# Altium PCB PCB - v4.PcbDoc (part 1 of 2) (continued)
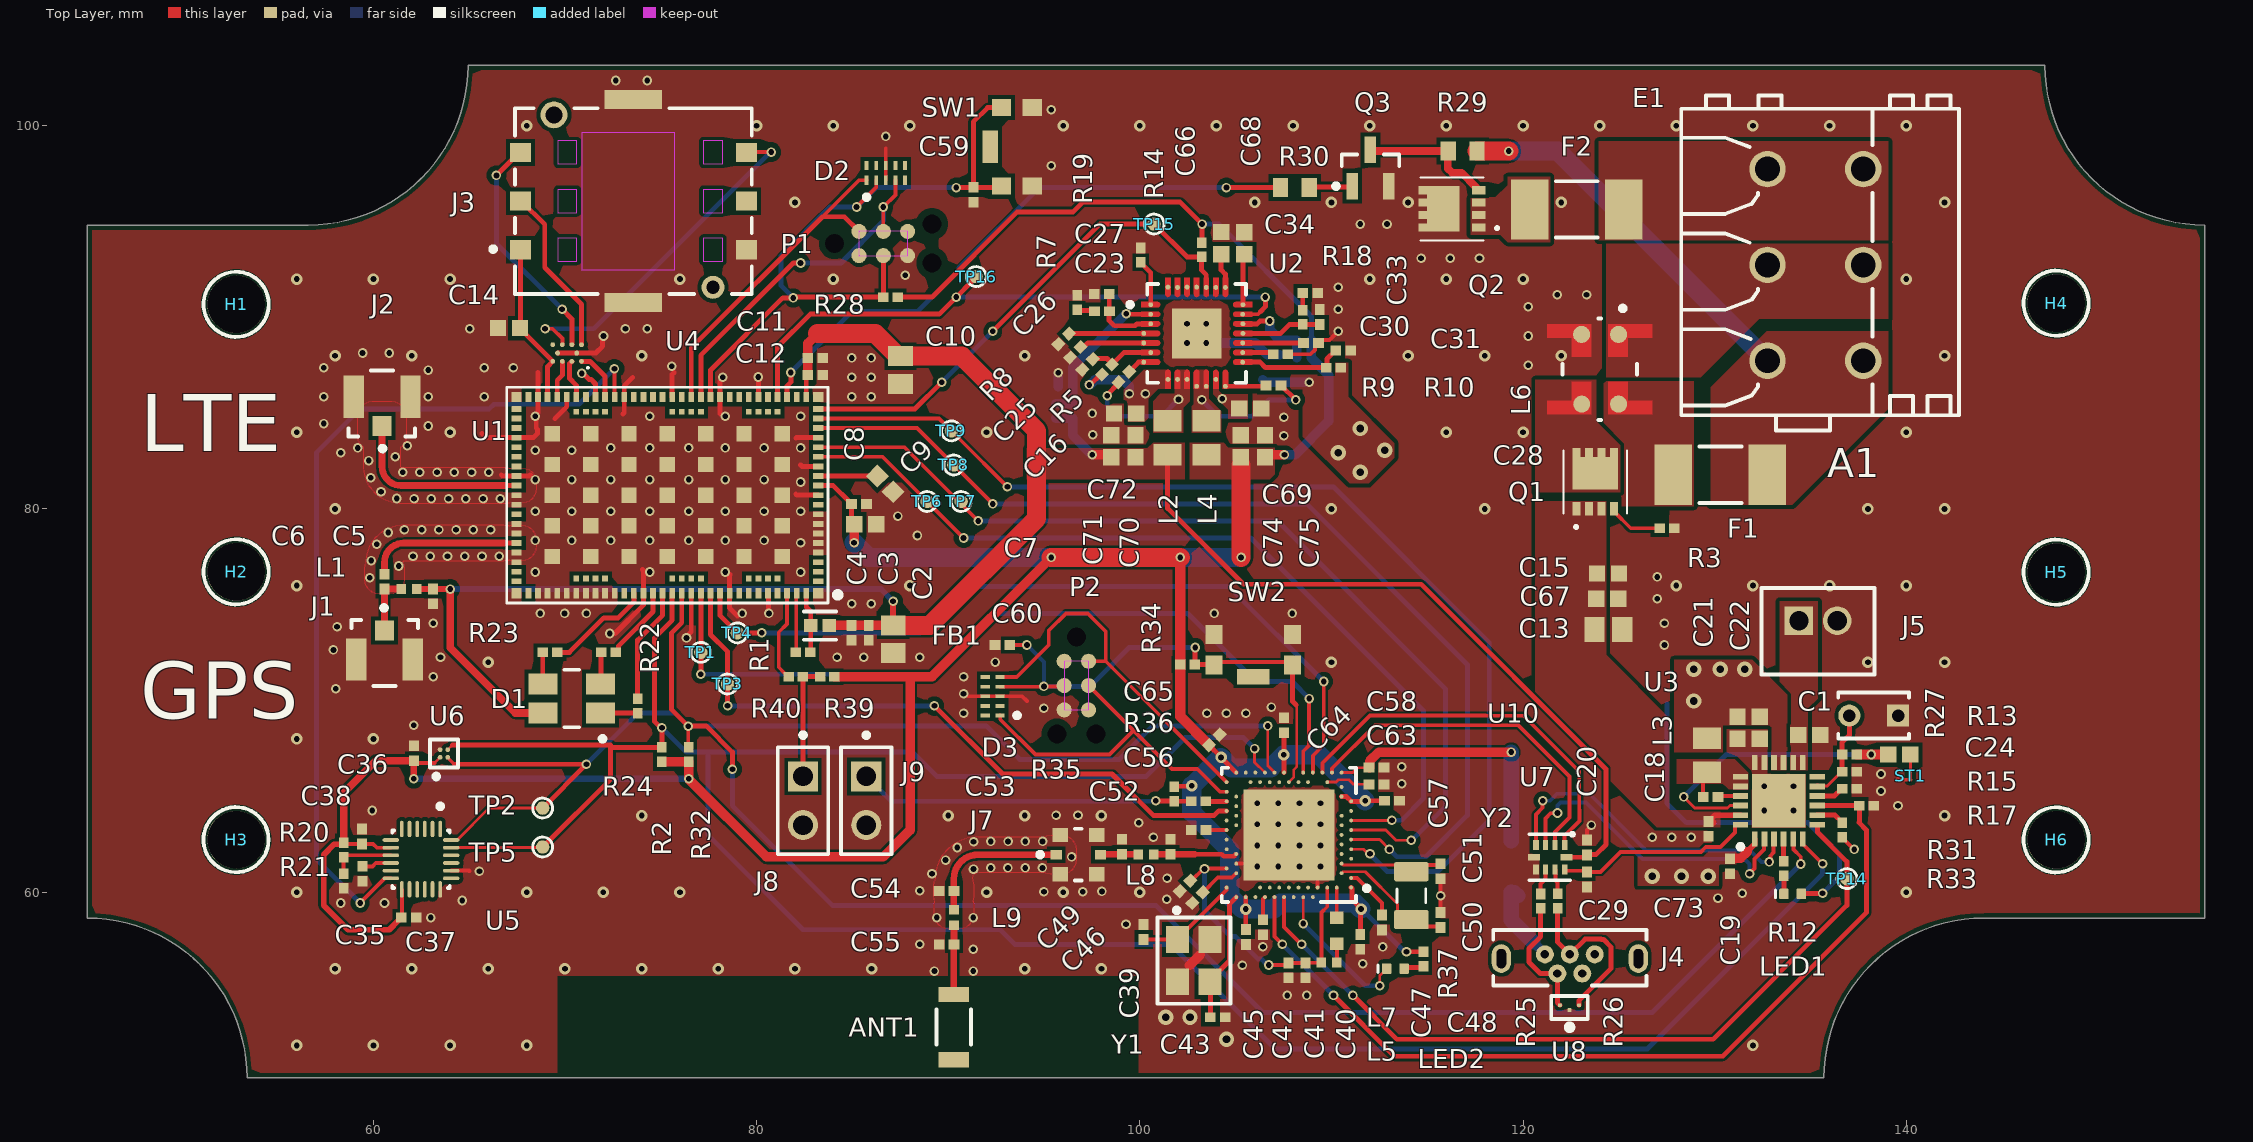
[diagram p0: Top Layer view]
## Components (designator, comment, footprint, x,y, rotation, side; value= is the part's Value field where it differs from the comment) (continued)
H6 "Hole_3MM_NP" Hole_3MM_NP-Footprint-1 147.819,62.727 r0 top value=3mm,N.P
J1 "U.FL-R-SMT-1(80)" FP-U_FL-R-SMT-1_80-MFG 60.579,72.136 r180 top
J2 "U.FL-R-SMT-1(80)" FP-U_FL-R-SMT-1_80-MFG 60.452,85.853 r0 top
J3 "SIM8051-6-0-14-01-A" FP-SIM8051-6-0-14-01-A-MFG 73.574,96.067 r270 top
J4 "614105150721" 614105150721 122.443,56.533 r0 top
J5 "B2B-PH-K-S(LF)(SN)" JST-B2B-PH-K-S_V 135.398,73.618 r0 top
J7 "MM8130-2600RA2" FP-MM8130-2600RA2-MFG 96.798,61.956 r90 top
J8 "M20-9990246" FP-M20-9990246-MFG 82.423,64.77 r270 top
J9 "M20-9990246" FP-M20-9990246-MFG 85.725,64.77 r270 top
L1 "Inductor 0402" INDC1005X55X25LL05T10_A 61.849,75.819 r0 top value=?H
L2 "Inductor 0805" INDC2013X105X50NL20T20 101.452,83.714 r270 top value=?H
L3 "Inductor 0805" INDC2013X105X50NL20T20 129.598,67.146 r90 top value=?H
L4 "Inductor 0805" INDC2013X105X50NL20T20 103.484,83.718 r270 top value=?H
L5 "Inductor 0402" INDC1005X55X25LL05T10_A 109.881,56.318 r180 top value=?H
L6 "DLW5ATN231TQ2L" FP-DLW5A-MFG 124.007,87.29 r0 top
L7 "Inductor 0603" FP-LQM18DN_70-MFG 110.276,57.979 r270 top value=?H
L8 "Inductor 0402" INDC1005X55X25LL05T10_A 100.33,61.976 r180 top value=?H
L9 "Inductor 0402" INDC1005X55X25LL05T10_A 90.297,58.674 r270 top value=?H
LED1 "QBLP595-R" QTB-QBLP595_V 134.071,59.909 r0 top
LED2 "QBLP595-R" QTB-QBLP595_V 113.337,56.007 r0 top
P1 "TC2030-IDC-NL" "New footprint 1" 85.344,93.218 r0 top
P2 "TC2030-IDC-NL" "New footprint 1" 96.055,72.052 r270 top
Q1 "DMP3007SCG-13" DMP3007SCG13 123.769,80.01 r0 top
Q2 "DMP3007SCG-13" DMP3007SCG13 117.695,95.658 r90 top
Q3 "2N7002CK,215" NXP-SOT23_N 112.038,97.795 r90 top
R1 "Resistor 0403" "RESC1005X40X25LL10T10 HD" 82.423,72.517 r0 top value=10K
R2 "Resistor 0403" "RESC1005X40X25LL10T10 HD" 75.057,67.183 r270 top value=?R
R3 "Resistor 0403" "RESC1005X40X25LL10T10 HD" 127.514,78.994 r180 top value=?R
R4 "Resistor 0403" "RESC1005X40X25LL10T10 HD" 95.603,85.118 r270 bottom value=?R
R5 "Resistor 0403" "RESC1005X40X25LL10T10 HD" 98.288,87.281 r225 top value=?R
R6 "Resistor 0403" "RESC1005X40X25LL10T10 HD" 96.124,86.381 r0 bottom value=?R
R7 "Resistor 0403" "RESC1005X40X25LL10T10 HD" 96.732,90.769 r90 top value=?R
R8 "Resistor 0403" "RESC1005X40X25LL10T10 HD" 96.632,88.181 r45 top value=?R
R9 "Resistor 0403" "RESC1005X40X25LL10T10 HD" 110.109,87.376 r0 top value=?R
R10 "Resistor 0403" "RESC1005X40X25LL10T10 HD" 107.344,88.071 r180 top value=?R
R11 "Resistor 0403" "RESC1005X40X25LL10T10 HD" 108.564,87.905 r0 bottom value=?R
R12 "Resistor 0403" "RESC1005X40X25LL10T10 HD" 133.608,61.232 r270 top value=?R
R13 "Resistor 0403" "RESC1005X40X25LL10T10 HD" 137.033,67.183 r0 top value=?R
R14 "Resistor 0403" "RESC1005X40X25LL10T10 HD" 103.224,93.528 r90 top value=?R
R15 "Resistor 0403" "RESC1005X40X25LL10T10 HD" 137.033,66.294 r180 top value=?R
R16 "Resistor 0403" "RESC1005X40X25LL10T10 HD" 107.295,88.423 r90 bottom value=?R
R17 "Resistor 0403" "RESC1005X40X25LL10T10 HD" 137.033,65.405 r180 top value=?R
R18 "Resistor 0403" "RESC1005X40X25LL10T10 HD" 108.502,90.005 r270 top value=?R
R19 "Resistor 0403" "RESC1005X40X25LL10T10 HD" 100.055,93.245 r270 top value=?R
R20 "Resistor 0403" "RESC1005X40X25LL10T10 HD" 58.447,62.207 r90 top value=10K
R21 "Resistor 0403" "RESC1005X40X25LL10T10 HD" 58.443,60.579 r90 top value=10K
R22 "Resistor 0403" "RESC1005X40X25LL10T10 HD" 72.263,72.517 r180 top value=?R
R23 "Resistor 0403" "RESC1005X40X25LL10T10 HD" 69.215,72.517 r180 top value=?R
R24 "Resistor 0403" "RESC1005X40X25LL10T10 HD" 73.787,69.723 r270 top value=?R
R25 "Resistor 0403" "RESC1005X40X25LL10T10 HD" 120.918,59.53 r90 top value=22
R26 "Resistor 0403" "RESC1005X40X25LL10T10 HD" 121.807,59.536 r90 top value=22
R27 "103AT-2" FP-103AT-2-MFG 138.303,69.215 r180 top
R28 "Resistor 0403" "RESC1005X40X25LL10T10 HD" 86.995,91.059 r0 top value=10K
R29 "Resistor 0603" RESC1608X55X25ML10T15 116.852,98.679 r0 top value=300
R30 "Resistor 0603" RESC1608X55X25ML10T15 108.089,96.774 r0 top value=300
R31 "Resistor 0403" "RESC1005X40X25LL10T10 HD" 137.928,64.516 r180 top value=?R
R32 "Resistor 0403" "RESC1005X40X25LL10T10 HD" 76.454,67.177 r270 top value=?R
R33 "Resistor 0403" "RESC1005X40X25LL10T10 HD" 136.652,63.252 r90 top value=?R
R34 "Resistor 0403" "RESC1005X40X25LL10T10 HD" 102.489,71.882 r180 top value=10K
R35 "Resistor 0403" "RESC1005X40X25LL10T10 HD" 101.795,65.125 r270 top value=?R
R36 "Resistor 0403" "RESC1005X40X25LL10T10 HD" 103.07,64.737 r0 top value=?R
R37 "Resistor 0403" "RESC1005X40X25LL10T10 HD" 114.808,56.515 r270 top value=?R
R39 "Resistor 0403" "RESC1005X40X25LL10T10 HD" 83.687,71.247 r180 top value=10K
R40 "Resistor 0403" "RESC1005X40X25LL10T10 HD" 82.042,71.247 r0 top value=10K
ST1 "2 pin starpoint" "2 PIN STARPOINT" 140.216,66.069 r90 top net-tie value=N.A.
SW1 "MCIPTG33K-V" MCIPTG33K-V-Footprint-1 92.186,98.902 r90 top
SW2 "MCIPTG33K-V" MCIPTG33K-V-Footprint-1 105.918,71.247 r180 top
TP1 "TP_SMD_Ø0.7MM" TP_SMD_Ø0.7mm 77.089,72.517 r90 top value=Ø0.7mm,SMD
TP2 "TP_SMD_Ø0.7MM" TP_SMD_Ø0.7mm 68.834,64.389 r90 top value=Ø0.7mm,SMD
TP3 "TP_SMD_Ø0.7MM" TP_SMD_Ø0.7mm 78.486,70.866 r90 top value=Ø0.7mm,SMD
TP4 "TP_SMD_Ø0.7MM" TP_SMD_Ø0.7mm 78.994,73.533 r90 top value=Ø0.7mm,SMD
TP5 "TP_SMD_Ø0.7MM" TP_SMD_Ø0.7mm 68.834,62.357 r90 top value=Ø0.7mm,SMD
TP6 "TP_SMD_Ø0.7MM" TP_SMD_Ø0.7mm 88.9,80.391 r90 top value=Ø0.7mm,SMD
TP7 "TP_SMD_Ø0.7MM" TP_SMD_Ø0.7mm 90.678,80.391 r90 top value=Ø0.7mm,SMD
TP8 "TP_SMD_Ø0.7MM" TP_SMD_Ø0.7mm 90.297,82.296 r90 top value=Ø0.7mm,SMD
TP9 "TP_SMD_Ø0.7MM" TP_SMD_Ø0.7mm 90.17,84.074 r90 top value=Ø0.7mm,SMD
TP14 "TP_SMD_Ø0.7MM" TP_SMD_Ø0.7mm 136.906,60.706 r90 top value=Ø0.7mm,SMD
TP15 "TP_SMD_Ø0.7MM" TP_SMD_Ø0.7mm 100.749,94.869 r0 top value=Ø0.7mm,SMD
TP16 "TP_SMD_Ø0.7MM" TP_SMD_Ø0.7mm 91.463,92.128 r0 top value=Ø0.7mm,SMD
U1 "nRF9160-SICAB1A" LGA50P1600X1050X104-161N 75.343,80.721 r180 top locked
U2 "TPS65252RHDR" FP-RHD0028A-MFG 102.968,89.162 r0 top
U3 "BQ25890H" QFN50P400X400X80-25N-D 133.35,64.77 r90 top
U4 "CM1402-03CP" ONSC-WLCSP-10-567BL-01 70.112,88.138 r180 top
U5 "ICM-20948" FP-ICM-20948-IPC_A 62.485,61.722 r270 top
U6 "MAX31875R0TZS+T" FP-Z40C0-1-MFG 63.681,67.237 r90 top
U7 "PI3USB221EQ1ZUAEX" PI3USB221EQ1ZUAEX-Footprint-1 121.422,61.821 r270 top
U8 "ESD122DMYR" FP-DMY0003A-MFG 122.428,53.975 r90 top
U10 "NRF52840-QIAA-R7" NRSC-AQFN-73 107.781,62.991 r180 top
Y1 "7M-32.000MEEQ-T" FP-7M-MFG 102.825,56.425 r270 top
Y2 "ABS07-166-32.768KHZ-T" EPSON-FC-135_V 114.173,59.817 r90 top

## Footprints (in the part's own frame and the unit in brackets; to place one, negate y for a bottom-side part, rotate by r counter-clockwise, add the part's x,y. Pads: shape width x height; smd on the part's side, far side on the other; paste and mask are expansions set on the pad)
"2 PIN STARPOINT" [mil]
  round 5 smd paste-3 mask-3: 1(-8,0) 2(8,0)
  Top Layer region: -11.09,-2.99 10.91,-2.99 10.91,3.01 -11.09,3.01
614105150721 [mm] "Micro USB 2.0 Type B Vertical 5 Contacts"
  round 0.94 hole 0.44: 1(-1.3,0.22) 2(-0.65,-0.78) 3(0,0.22) 4(0.65,-0.78) 5(1.3,0.22)
  oval 1x1.5 hole 0.5 slot 1 at 90 deg: Shell(-3.575,0) Shell(3.575,0)
  silkscreen extent -4,-1.4 4,1.5, body extent -4,-1.4 4,1.5, height 5.64
"CAPC1005X55X25LL05T10 HD" [mm] "Chip Capacitor, 2-Leads, Body 1.05x0.55mm, IPC High Density"
  rect 0.56x0.52 smd: 1(-0.39,0) 2(0.39,0)
  body extent -0.53,-0.28 0.53,0.28, height 0.55
"CAPC1608X90X40LL10T20 HD" [mm] "Chip Capacitor, 2-Leads, Body 1.70x0.90mm, IPC High Density"
  rect 0.85x0.85 smd: 1(-0.575,0) 2(0.575,0)
  body extent -0.85,-0.45 0.85,0.45, height 0.9
"CAPC2013X95X50LL10T25 HD" [mm] "Chip Capacitor, 2-Leads, Body 2.10x1.35mm, IPC High Density"
  rect 1.05x1.3 smd: 1(-0.725,0) 2(0.725,0)
  body extent -1.05,-0.67 1.05,0.67, height 0.95
DMP3007SCG13 [mm]
  rect 0.42x0.7 smd: 1(-0.975,0) 2(-0.325,0) 3(0.325,0) 4(0.975,0)
  rect 0.42x0.47 smd: 5(0.975,2.925) 6(0.325,2.925) 7(-0.325,2.925) 8(-0.975,2.925)
  rect 2.37x1.7 smd: 9(0,1.85)
  silkscreen extent -1.65,-1 1.65,3.05, body extent -1.65,-0.31 1.65,3.11, height 0.95
EPSON-FC-135_V [mm] "SMD, 2-Leads, Body 3.2x1.5mm"
  rrect20% 1x1.8 smd: 1(-1.25,0) 2(1.25,0)
  silkscreen extent -0.35,-0.75 0.35,0.75, body extent -1.6,-0.75 1.6,0.75, height 0.9
FP-7M-MFG [mm]
  rect 1.4x1.2 smd paste+0 mask+0: 1(-1.1,-0.85) 2(1.1,-0.85) 3(1.1,0.85) 4(-1.1,0.85)
  silkscreen extent -2.75,-1.9 2.25,1.9, body extent -1.9,-1.55 1.9,1.55, height 0.25
FP-103AT-2-MFG [mm]
  rect 1.15x1.15 hole 0.65 paste-1000 mask+0: 1(-1.27,0)
  round 1.15 hole 0.65 paste-1000 mask+0: 2(1.27,0)
  silkscreen extent -1.85,-1.2 1.85,1.2, body extent -1.95,-1.3 1.95,1.3, height 0.25
FP-0451-MFG [mil]
  rect 77x124 smd paste+0 mask+0: 1(-96.5,0) 2(96.5,0)
  silkscreen extent -43,-58 43,58, body extent -139,-66 139,66, height 10
FP-0468-MFG [mil]
  rect 45x80 smd paste+0 mask+0: 1(-52.5,0) 2(52.5,0)
  silkscreen extent -15,-32 15,32, body extent -63,-30 63,30, height 23
FP-AMCA31-MFG [mm]
  rect 0.8x1.6 smd paste+0 mask+0: 1(-1.7,0) 2(1.7,0)
  silkscreen extent -0.92,-0.9 0.92,0.9, body extent -2.2,-1 2.2,1, height 0.25
FP-ASMB-BTE1-0B332-MFG [mm]
  rect 1.1x1.5 smd paste+0 mask+0: 1(-0.75,-1.5) 2(-0.75,1.5) 3(0.75,1.5) 4(0.75,-1.5)
  silkscreen extent -2.22,-1.73 1.5,0.38, body extent -1.6,-2.35 1.6,2.35, height 0.25
FP-BLM15-0_05-d0_7-IPC_A [mm]
  rect 0.715x0.672 smd paste+0 mask+0: 1(-0.479,0) 2(0.479,0)
  silkscreen extent -0.84,-0.74 0.84,0.74, body extent -1.04,-0.54 1.04,0.54, height 0.25
FP-DLW5A-MFG [mm]
  round 0.897 smd paste+0 mask+0: 1(0.981,1.819) 4(0.981,-1.819)
  round 0.889 smd paste+0 mask+0: 2(-0.95,1.819) 3(-0.944,-1.819)
  Top Layer region: 2.75,-2.35 0.45,-2.35 0.45,-0.65 1.45,-0.65 1.45,-1.65 2.75,-1.65
  Top Layer region: -2.75,-2.35 -0.45,-2.35 -0.45,-0.65 -1.45,-0.65 -1.45,-1.65 -2.75,-1.65
  Top Layer region: 2.75,2.35 0.45,2.35 0.45,0.65 1.45,0.65 1.45,1.65 2.75,1.65
  Top Layer region: -2.75,2.35 -0.45,2.35 -0.45,0.65 -1.45,0.65 -1.45,1.65 -2.75,1.65
  silkscreen extent -1.95,-2.65 1.95,3.3, body extent -2.85,-2.75 2.85,2.75, height 0.25
FP-DMY0003A-MFG [mm]
  rrect50% 0.2x0.2 smd paste-1000 mask-1000: 1(-0.125,0) 2(0.125,-0.5) 3(0.125,0.5)
  silkscreen extent -1.17,-0.95 0.6,0.95, body extent -0.45,-0.8 0.45,0.8, height 0.25
FP-ICM-20948-IPC_A [mm]
  oval 0.861x0.192 smd paste+0 mask+0: 1(-1.575,1)
  rrect100% 0.861x0.192 smd paste+0 mask+0: 2(-1.575,0.6) 3(-1.575,0.2) 4(-1.575,-0.2) 5(-1.575,-0.6) 6(-1.575,-1) 13(1.575,-1) 14(1.575,-0.6) 15(1.575,-0.2) 16(1.575,0.2) 17(1.575,0.6) 18(1.575,1)
  rrect100% 0.192x0.861 smd paste+0 mask+0: 7(-1,-1.575) 8(-0.6,-1.575) 9(-0.2,-1.575) 10(0.2,-1.575) 11(0.6,-1.575) 12(1,-1.575) 19(1,1.575) 20(0.6,1.575) 21(0.2,1.575) 22(-0.2,1.575) 23(-0.6,1.575) 24(-1,1.575)
  silkscreen extent -2.88,-1.5 1.5,1.5, body extent -2.46,-2.46 2.46,2.46, height 0.25
FP-LQM18DN_70-MFG [mm]
  rect 0.65x0.7 smd paste+0: 1(-0.675,0) 2(0.675,0)
  body extent -1.1,-0.58 1.1,0.58, height 0.25
FP-M20-9990246-MFG [mm]
  rect 1.57x1.57 hole 1.02 paste-1000 mask+0: 1(-1.27,0)
  round 1.57 hole 1.02 paste-1000 mask+0: 2(1.27,0)
  silkscreen extent -3.55,-1.32 2.79,1.32, body extent -2.89,-1.42 2.89,1.42, height 0.25
FP-MM8130-2600RA2-MFG [mm]
  rect 0.5x0.58 smd paste-1000 mask+0: 1(0,1.16) 2(0,-1.16)
  rect 0.75x0.8 smd paste-1000 mask+0: 3(-1.025,0.95) 4(1.025,0.95) 5(-1.025,-0.95) 6(1.025,-0.95)
  silkscreen extent -1.35,-0.18 1.35,2.12, body extent -1.5,-1.55 1.5,1.55, height 0.25
FP-RHD0028A-MFG [mm]
  round 0.252 smd paste-1000 mask+0: 1(-2.4,1.5) 2(-2.4,1) 3(-2.4,0.5) 4(-2.76,0) 5(-2.76,-0.5) 6(-2.4,-1) 7(-2.76,-1.5) 8(-1.5,-2.4) 9(-1,-2.4) 10(-0.5,-2.4) 11(0,-2.76) 12(0.5,-2.76) 13(1,-2.4) 14(1.5,-2.76) 15(2.4,-1.5) 16(2.4,-1) 17(2.4,-0.5) 18(2.415,0) 19(2.415,0.5) 20(2.4,1) 21(2.415,1.5) 22(1.5,2.4) 23(1,2.4) 24(0.5,2.4) 25(0,2.415) 26(-0.5,2.415) 27(-1,2.4) 28(-1.5,2.415)
  rect 2.6x2.6 smd paste-1000 mask+0: 29(0,0)
  Top Layer region: 2.9,0.86 2.04,0.86 1.986,0.871 1.941,0.901 1.911,0.946 1.9,1 1.9,1 1.911,1.054 1.941,1.099 1.986,1.129 2.04,1.14 2.04,1.14 2.9,1.14
  Top Layer region: 2.9,1.36 2.04,1.36 1.986,1.371 1.941,1.401 1.911,1.446 1.9,1.5 1.9,1.5 1.911,1.554 1.941,1.599 1.986,1.629 2.04,1.64 2.04,1.64 2.9,1.64
  Top Layer region: 2.9,-0.14 2.04,-0.14 1.986,-0.129 1.941,-0.099 1.911,-0.054 1.9,0 1.9,0 1.911,0.054 1.941,0.099 1.986,0.129 2.04,0.14 2.04,0.14 2.9,0.14
  Top Layer region: 2.9,0.36 2.04,0.36 1.986,0.371 1.941,0.401 1.911,0.446 1.9,0.5 1.9,0.5 1.911,0.554 1.941,0.599 1.986,0.629 2.04,0.64 2.04,0.64 2.9,0.64
  Top Layer region: 1.64,2.9 1.64,2.04 1.629,1.986 1.599,1.941 1.554,1.911 1.5,1.9 1.5,1.9 1.446,1.911 1.401,1.941 1.371,1.986 1.36,2.04 1.36,2.04 1.36,2.9
  Top Layer region: 1.14,2.9 1.14,2.04 1.129,1.986 1.099,1.941 1.054,1.911 1,1.9 1,1.9 0.946,1.911 0.901,1.941 0.871,1.986 0.86,2.04 0.86,2.04 0.86,2.9
  Top Layer region: 0.64,2.9 0.64,2.04 0.629,1.986 0.599,1.941 0.554,1.911 0.5,1.9 0.5,1.9 0.446,1.911 0.401,1.941 0.371,1.986 0.36,2.04 0.36,2.04 0.36,2.9
  Top Layer region: 0.14,2.9 0.14,2.04 0.129,1.986 0.099,1.941 0.054,1.911 0,1.9 0,1.9 -0.054,1.911 -0.099,1.941 -0.129,1.986 -0.14,2.04 -0.14,2.04 -0.14,2.9
  Top Layer region: 2.9,-1.14 2.04,-1.14 1.986,-1.129 1.941,-1.099 1.911,-1.054 1.9,-1 1.9,-1 1.911,-0.946 1.941,-0.901 1.986,-0.871 2.04,-0.86 2.04,-0.86 2.9,-0.86
  Top Layer region: 2.9,-0.64 2.04,-0.64 1.986,-0.629 1.941,-0.599 1.911,-0.554 1.9,-0.5 1.9,-0.5 1.911,-0.446 1.941,-0.401 1.986,-0.371 2.04,-0.36 2.04,-0.36 2.9,-0.36
  Top Layer region: 2.9,-1.64 2.04,-1.64 1.986,-1.629 1.941,-1.599 1.911,-1.554 1.9,-1.5 1.9,-1.5 1.911,-1.446 1.941,-1.401 1.986,-1.371 2.04,-1.36 2.04,-1.36 2.9,-1.36
  Top Layer region: 1.36,-2.9 1.36,-2.04 1.371,-1.986 1.401,-1.941 1.446,-1.911 1.5,-1.9 1.5,-1.9 1.554,-1.911 1.599,-1.941 1.629,-1.986 1.64,-2.04 1.64,-2.04 1.64,-2.9
  Top Layer region: 0.86,-2.9 0.86,-2.04 0.871,-1.986 0.901,-1.941 0.946,-1.911 1,-1.9 1,-1.9 1.054,-1.911 1.099,-1.941 1.129,-1.986 1.14,-2.04 1.14,-2.04 1.14,-2.9
  Top Layer region: 0.36,-2.9 0.36,-2.04 0.371,-1.986 0.401,-1.941 0.446,-1.911 0.5,-1.9 0.5,-1.9 0.554,-1.911 0.599,-1.941 0.629,-1.986 0.64,-2.04 0.64,-2.04 0.64,-2.9
  Top Layer region: -0.14,-2.9 -0.14,-2.04 -0.129,-1.986 -0.099,-1.941 -0.054,-1.911 0,-1.9 0,-1.9 0.054,-1.911 0.099,-1.941 0.129,-1.986 0.14,-2.04 0.14,-2.04 0.14,-2.9
  Top Layer region: -0.36,2.9 -0.36,2.04 -0.371,1.986 -0.401,1.941 -0.446,1.911 -0.5,1.9 -0.5,1.9 -0.554,1.911 -0.599,1.941 -0.629,1.986 -0.64,2.04 -0.64,2.04 -0.64,2.9
  Top Layer region: -0.86,2.9 -0.86,2.04 -0.871,1.986 -0.901,1.941 -0.946,1.911 -1,1.9 -1,1.9 -1.054,1.911 -1.099,1.941 -1.129,1.986 -1.14,2.04 -1.14,2.04 -1.14,2.9
  Top Layer region: -1.36,2.9 -1.36,2.04 -1.371,1.986 -1.401,1.941 -1.446,1.911 -1.5,1.9 -1.5,1.9 -1.554,1.911 -1.599,1.941 -1.629,1.986 -1.64,2.04 -1.64,2.04 -1.64,2.9
  Top Layer region: -2.9,0.64 -2.04,0.64 -1.986,0.629 -1.941,0.599 -1.911,0.554 -1.9,0.5 -1.9,0.5 -1.911,0.446 -1.941,0.401 -1.986,0.371 -2.04,0.36 -2.04,0.36 -2.9,0.36
  Top Layer region: -2.9,1.64 -2.04,1.64 -1.986,1.629 -1.941,1.599 -1.911,1.554 -1.9,1.5 -1.9,1.5 -1.911,1.446 -1.941,1.401 -1.986,1.371 -2.04,1.36 -2.04,1.36 -2.9,1.36
  Top Layer region: -2.9,1.14 -2.04,1.14 -1.986,1.129 -1.941,1.099 -1.911,1.054 -1.9,1 -1.9,1 -1.911,0.946 -1.941,0.901 -1.986,0.871 -2.04,0.86 -2.04,0.86 -2.9,0.86
  Top Layer region: -2.9,0.14 -2.04,0.14 -1.986,0.129 -1.941,0.099 -1.911,0.054 -1.9,0 -1.9,0 -1.911,-0.054 -1.941,-0.099 -1.986,-0.129 -2.04,-0.14 -2.04,-0.14 -2.9,-0.14
  Top Layer region: -0.64,-2.9 -0.64,-2.04 -0.629,-1.986 -0.599,-1.941 -0.554,-1.911 -0.5,-1.9 -0.5,-1.9 -0.446,-1.911 -0.401,-1.941 -0.371,-1.986 -0.36,-2.04 -0.36,-2.04 -0.36,-2.9
  Top Layer region: -1.14,-2.9 -1.14,-2.04 -1.129,-1.986 -1.099,-1.941 -1.054,-1.911 -1,-1.9 -1,-1.9 -0.946,-1.911 -0.901,-1.941 -0.871,-1.986 -0.86,-2.04 -0.86,-2.04 -0.86,-2.9
  Top Layer region: -1.64,-2.9 -1.64,-2.04 -1.629,-1.986 -1.599,-1.941 -1.554,-1.911 -1.5,-1.9 -1.5,-1.9 -1.446,-1.911 -1.401,-1.941 -1.371,-1.986 -1.36,-2.04 -1.36,-2.04 -1.36,-2.9
  Top Layer region: -2.9,-0.86 -2.04,-0.86 -1.986,-0.871 -1.941,-0.901 -1.911,-0.946 -1.9,-1 -1.9,-1 -1.911,-1.054 -1.941,-1.099 -1.986,-1.129 -2.04,-1.14 -2.04,-1.14 -2.9,-1.14
  Top Layer region: -2.9,-0.36 -2.04,-0.36 -1.986,-0.371 -1.941,-0.401 -1.911,-0.446 -1.9,-0.5 -1.9,-0.5 -1.911,-0.554 -1.941,-0.599 -1.986,-0.629 -2.04,-0.64 -2.04,-0.64 -2.9,-0.64
  Top Layer region: -2.9,-1.36 -2.04,-1.36 -1.986,-1.371 -1.941,-1.401 -1.911,-1.446 -1.9,-1.5 -1.9,-1.5 -1.911,-1.554 -1.941,-1.599 -1.986,-1.629 -2.04,-1.64 -2.04,-1.64 -2.9,-1.64
  silkscreen extent -3.6,-2.58 2.58,2.58, body extent -3,-3 3,3, height 0.25
FP-SIM8051-6-0-14-01-A-MFG [mm]
  round 1.2 hole 0.7 paste-1000 mask+0: 1(4.5,4.15)
  round 1.4 hole 0.9 paste-1000 mask+0: 4(-4.5,-4.15)
  rect 1x1.1 smd paste+0 mask+0: C1(2.54,-5.9) C2(0,-5.9) C3(-2.54,-5.9) C5(2.54,5.9) C6(0,5.9) C7(-2.54,5.9)
  rect 1x3 smd paste+0 mask+0: C4(5.3,0) C8(-5.3,0)
  Top Layer keep-out region: -3.14,3.65 -1.94,3.65 -1.94,4.65 -3.14,4.65
  Top Layer keep-out region: -3.14,-3.95 -1.94,-3.95 -1.94,-2.95 -3.14,-2.95
  Top Layer keep-out region: -3.575,-2.7 3.575,-2.7 3.575,2.15 -3.575,2.15
  Top Layer keep-out region: -0.6,-3.95 0.6,-3.95 0.6,-2.95 -0.6,-2.95
  Top Layer keep-out region: 1.94,-3.95 3.14,-3.95 3.14,-2.95 1.94,-2.95
  Top Layer keep-out region: -0.6,3.65 0.6,3.65 0.6,4.65 -0.6,4.65
  Top Layer keep-out region: 1.94,3.65 3.14,3.65 3.14,4.65 1.94,4.65
  silkscreen extent -4.84,-7.45 4.84,6.17, body extent -5.9,-6.55 5.9,6.55, height 0.25
FP-SOT1176-1-MFG [mm]
  rect 0.2x0.475 smd paste+0 mask-1000: 1(1,0.387) 2(0.5,0.387) 3(0,0.387) 4(-0.5,0.387) 5(-1,0.387) 6(-1,-0.387) 7(-0.5,-0.387) 8(0,-0.387) 9(0.5,-0.387) 10(1,-0.387)
  silkscreen extent 0.87,1.15 1.12,1.39, body extent -1.4,-0.77 1.4,0.77, height 0.25
FP-U_FL-R-SMT-1_80-MFG [mm]
  rect 1x1.05 smd paste-1000 mask+0: 1(0,-1.525)
  rect 1.05x2.2 smd paste-1000 mask+0: 2(-1.475,0) 3(1.475,0)
  silkscreen extent -1.75,-2.82 1.73,1.38, body extent -2.1,-2.15 2.1,1.73, height 0.25
FP-Z40C0-1-MFG [mm]
  round 0.25 smd paste+0 mask+0: A1(-0.2,0.2) A2(0.2,0.2) B1(-0.2,-0.2) B2(0.2,-0.2)
  silkscreen extent -1.32,-0.73 0.73,0.73, body extent -0.93,-0.93 0.93,0.93, height 0.25
Hole_3MM_NP-Footprint-1 [mm]
  round 3 hole 3 unplated paste+0 mask+0: ""(0.005,0.002)
  silkscreen extent -1.69,-1.7 1.71,1.7
INDC1005X55X25LL05T10_A [mm] "Chip Inductor, 2-Leads, Body 1.05x0.55mm, IPC High Density"
  rect 0.49x0.52 smd: 1(-0.405,0) 2(0.405,0)
  body extent -0.52,-0.28 0.53,0.28, height 0.55
INDC2013X105X50NL20T20 [mm] "Chip Inductor, 2-Leads, Body 2.2x1.45mm, IPC Medium Density"
  rect 1.13x1.47 smd: 1(-0.885,0) 2(0.885,0)
  body extent -1.1,-0.72 1.1,0.72, height 1.05
JST-B2B-PH-K-S_V [mm] "Connector, 2-Leads, Body 5.9x4.5mm, Pitch 2mm"
  rect 1.5x1.5 hole 1: 1(-1,0.55)
  round 1.5 hole 1: 2(1,0.55)
  silkscreen extent -2.95,-2.25 2.95,2.25, body extent -2.95,-2.25 2.95,2.25, height 6
LGA50P1600X1050X104-161N [mm]
  rect 0.54x0.54 smd mask+0.05: 1(-7.87,5.12) 21(-7.87,-5.12) 52(7.87,-5.12) 72(7.87,5.12)
  rect 0.54x0.3 smd mask+0.05: 2(-7.87,4.5) 3(-7.87,4) 4(-7.87,3.5) 5(-7.87,3) 6(-7.87,2.5) 7(-7.87,2) 8(-7.87,1.5) 9(-7.87,1) 10(-7.87,0.5) 11(-7.87,0) 12(-7.87,-0.5) 13(-7.87,-1) 14(-7.87,-1.5) 15(-7.87,-2) 16(-7.87,-2.5) 17(-7.87,-3) 18(-7.87,-3.5) 19(-7.87,-4) 20(-7.87,-4.5) 53(7.87,-4.5) 54(7.87,-4) 55(7.87,-3.5) 56(7.87,-3) 57(7.87,-2.5) 58(7.87,-2) 59(7.87,-1.5) 60(7.87,-1) 61(7.87,-0.5) 62(7.87,0) 63(7.87,0.5) 64(7.87,1) 65(7.87,1.5) 66(7.87,2) 67(7.87,2.5) 68(7.87,3) 69(7.87,3.5) 70(7.87,4) 71(7.87,4.5)
  rect 0.3x0.54 smd mask+0.05: 22(-7.25,-5.12) 23(-6.75,-5.12) 24(-6.25,-5.12) 25(-5.75,-5.12) 26(-5.25,-5.12) 27(-4.75,-5.12) 28(-4.25,-5.12) 29(-3.75,-5.12) 30(-3.25,-5.12) 31(-2.75,-5.12) 32(-2.25,-5.12) 33(-1.75,-5.12) 34(-1.25,-5.12) 35(-0.75,-5.12) 36(-0.25,-5.12) 37(0.25,-5.12) 38(0.75,-5.12) 39(1.25,-5.12) 40(1.75,-5.12) 41(2.25,-5.12) 42(2.75,-5.12) 43(3.25,-5.12) 44(3.75,-5.12) 45(4.25,-5.12) 46(4.75,-5.12) 47(5.25,-5.12) 48(5.75,-5.12) 49(6.25,-5.12) 50(6.75,-5.12) 51(7.25,-5.12) 73(7.25,5.12) 74(6.75,5.12) 75(6.25,5.12) 76(5.75,5.12) 77(5.25,5.12) 78(4.75,5.12) 79(4.25,5.12) 80(3.75,5.12) 81(3.25,5.12) 82(2.75,5.12) 83(2.25,5.12) 84(1.75,5.12) 85(1.25,5.12) 86(0.75,5.12) 87(0.25,5.12) 88(-0.25,5.12) 89(-0.75,5.12) 90(-1.25,5.12) 91(-1.75,5.12) 92(-2.25,5.12) 93(-2.75,5.12) 94(-3.25,5.12) 95(-3.75,5.12) 96(-4.25,5.12) 97(-4.75,5.12) 98(-5.25,5.12) 99(-5.75,5.12) 100(-6.25,5.12) 101(-6.75,5.12) 102(-7.25,5.12)